# Allegro board BeagleBone_Green_v1.brd (continued)
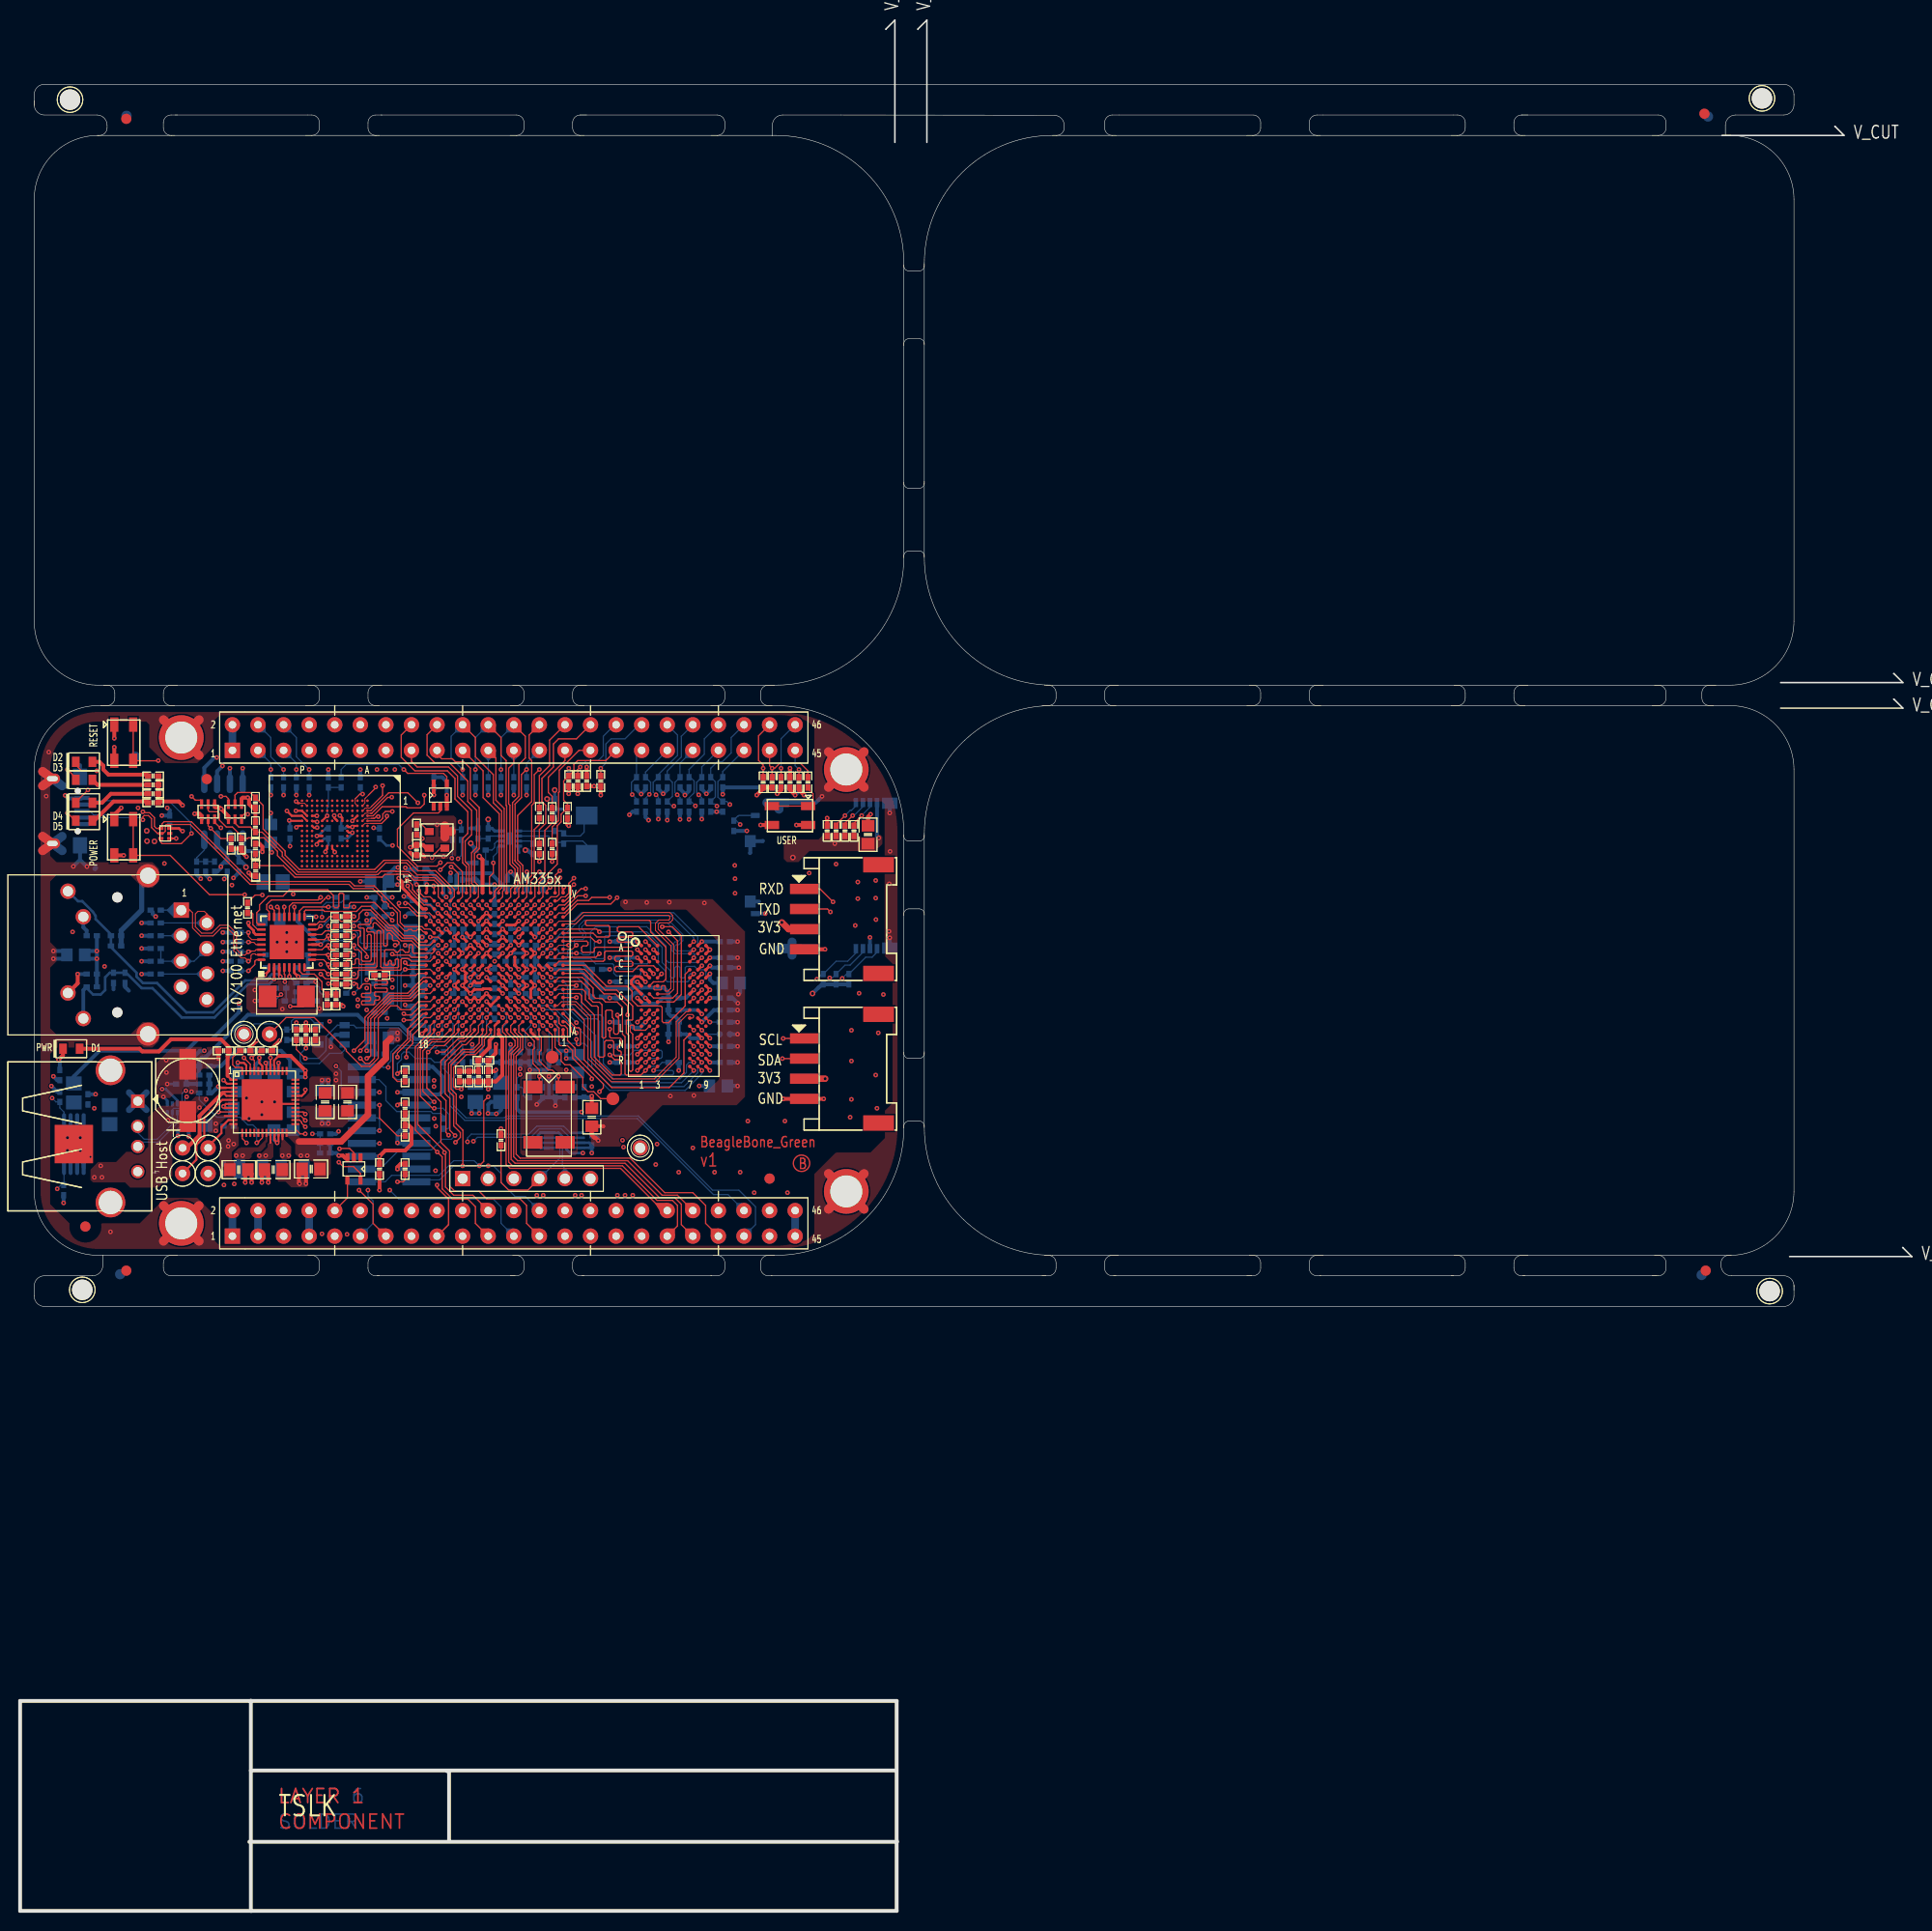
[diagram p0: board, top side]
## Copper pours and planes (outline as drawn; the poured copper is in the pictures) (continued)
DGND on LYR3: 39.62,105.64 41.66,105.64 42.29,105 42.29,104.62 42.04,104.37 41.53,104.37 41.4,104.24 41.4,103.23 41.91,102.72 41.91,101.57 41.66,101.32 40.39,101.32 40,101.7 40,103.35 39.37,103.99 39.37,105.38
DGND on LYR3: 59.72,100.99 68.07,100.99 71.93,97.13 71.93,84.51 68,80.57 56.97,80.57 56.39,81.15 56.39,81.99 56.52,82.12 57,82.12 57.61,81.51 57.61,81.41 57.96,81.05 66.17,81.05 67.95,82.83 67.95,95.35 63.55,99.75 59.59,99.75 59.31,100.03 59.31,100.58
DGND on LYR5_PWR: 32.26,73 39.62,73 40.77,71.86 40.77,69.95 41.02,69.7 61.98,69.7 62.61,70.33 62.61,80.72 62.79,80.9 71.7,80.9 72.42,81.61 72.42,99.29 70.74,100.97 70.74,105.21 70.76,105.23 72.57,105.23 74.42,103.38 78.18,103.38 79.2,104.39 84.81,104.39 85.29,103.91 85.29,93.65 86,92.94 86,85.95 85.62,85.57 85.62,76.56 84.1,75.03 79.83,75.03 78.44,73.63 78.44,67.87 76.96,66.4 25.27,66.4 24.89,66.78 24.89,70.33 25.91,71.35 30.61,71.35
GND_EARTH on TOP: 7.75,65.76 3.71,67.43 2.03,71.48 2.03,113.39 3.71,117.43 7.75,119.1 75.06,119.1 83.59,115.57 87.12,107.04 87.12,77.83 83.59,69.29 75.06,65.76 ; 1 cut-out
GND_EARTH on BOTTOM: 7.75,65.76 3.71,67.43 2.03,71.48 2.03,113.39 2.09,114.19 2.26,114.99 2.26,115.11 2.32,115.17 4.4,118.01 7.75,119.1 75.06,119.1 82.5,116.53 86.77,109.93 86.82,109.88 86.82,109.73 87.05,108.39 87.12,107.04 87.12,77.83 83.59,69.29 75.06,65.76 ; 1 cut-out
GND_EARTH on LYR2_GND, LYR3, LYR4: 7.75,65.76 3.71,67.43 2.03,71.48 2.03,113.39 3.71,117.43 7.75,119.1 75.06,119.1 83.59,115.57 87.12,107.04 87.12,77.83 83.59,69.29 75.06,65.76 ; 1 cut-out
GND_EARTH on LYR5_PWR: 7.75,65.76 3.71,67.43 2.03,71.48 2.03,113.39 3.71,117.43 7.75,119.1 75.06,119.1 83.59,115.57 87.12,107.04 87.12,77.83 83.59,69.29 75.06,65.76 ; 1 cut-out
GND_OSC0 on BOTTOM: 45.47,109.7 53.72,109.7 54.36,110.34 57.91,110.34 58.29,109.96 58.29,103.61 57.91,103.23 54.48,103.23 53.21,104.5 52.83,104.5 51.69,103.35 44.2,103.35 44.07,103.48 44.07,108.31 ; 1 cut-out
GND_OSC1 on TOP: 49.66,75.29 49.91,75.03 55.12,75.03 55.37,75.29 55.37,82.91 54.48,83.79 53.72,83.79 52.45,85.06 52.45,86.97 51.56,87.86 50.29,87.86 50.16,87.73 50.16,85.32 49.53,84.68 49.53,83.79 49.66,83.67
VBUS on BOTTOM: 8.38,81.69 10.19,81.69 10.64,82.14 12.12,82.14 12.73,81.53 12.73,79.63 12.42,79.32 8.38,79.32 8,79.71 8,81.31
VDD_1V8 on LYR3: 41.68,97.38 34.42,97.38 34.16,97.64 34.16,99.42 34.42,99.67 41.4,99.67 41.81,99.26 41.81,97.51
VDD_1V8 on LYR4: 47.12,90.27 46.86,90.02 43.05,90.02 42.8,90.27 42.8,93.57 42.55,93.83 41.4,93.83 41.15,94.08 41.15,99.42 41.4,99.67 43.94,99.67 44.2,99.92 44.2,100.38 44.58,100.76 46.53,100.76 47.12,100.18 47.12,94.84 46.74,94.46 46.74,94.21 47.12,93.83
VDD_1V8 on LYR5_PWR: 46.1,79.1 46.1,90.4 46.23,90.53 48.13,90.53 48.26,90.4 48.26,85.57 48.64,85.19 50.29,85.19 50.55,84.94 50.55,79.1 50.29,78.84 46.35,78.84
VDD_1V8 on LYR5_PWR: 33.91,99.42 33.66,99.16 33.66,93.32 30.99,90.65 30.99,90.4 29.08,88.49 29.08,86.97 27.81,85.7 27.81,82.65 28.07,82.4 32.13,82.4 32.38,82.65 32.38,85.7 35.18,88.49 35.18,99.16 34.92,99.42
VDD_3V3A on BOTTOM: 41.27,94.84 41.78,94.84 42.16,94.46 42.16,94.21 42.42,93.95 43.05,93.95 43.31,93.7 43.31,92.68 42.8,92.68 42.8,93.07 42.42,93.45 41.91,93.45 41.66,93.7 40,93.7 40,94.21 40.64,94.21
VDD_3V3A on BOTTOM: 43.69,101.57 43.69,100.94 43.31,100.56 43.31,98.4 43.56,98.15 44.7,98.15 44.83,98.27 44.83,98.4 44.45,98.78 44.45,100.69 44.16,100.98 44.16,101.57
VDD_3V3A on BOTTOM: 49.53,98.15 51.43,98.15 51.69,98.4 51.69,100.3 52.15,100.77 52.15,101.57 51.69,101.57 51.69,100.94 51.31,100.56 51.31,99.03 50.93,99.03 50.93,100.56 50.55,100.94 50.55,101.57 50.09,101.57 50.09,100.99 49.66,100.56 49.66,98.78 49.4,98.53 49.4,98.27
VDD_3V3A on LYR5_PWR: 22.99,76.81 22.73,77.06 22.73,88.49 22.99,88.75 28.57,88.75 28.83,88.49 28.83,87.22 27.56,85.95 27.56,82.52 27.94,82.14 32.26,82.14 32.64,82.52 32.64,85.57 35.43,88.37 35.43,99.16 34.67,99.92 33.91,99.92 33.66,100.18 33.66,102.21 39.24,107.8 39.24,111.1 39.5,111.35 42.67,111.35 42.93,111.1 42.93,110.08 43.18,109.83 50.93,109.83 53.59,112.5 70.05,112.5 70.61,111.94 70.61,108.69 69.95,108.03 69.95,101.3 69.01,100.36 55.65,100.36 55.24,99.95 55.24,99.92 54.99,99.67 51.94,99.67 51.56,99.29 51.56,96.62 50.55,95.61 50.55,94.59 50.29,94.34 43.94,94.34 43.43,93.83 43.43,93.45 43.31,93.32 42.04,93.32 41.78,93.07 41.78,92.43 42.04,92.18 43.31,92.18 43.56,91.92 43.56,91.67 42.55,90.65 42.55,90.02 42.8,89.76 44.2,89.76 44.45,90.02 44.45,90.4 44.58,90.53 45.72,90.53 45.85,90.4 45.85,78.97 46.23,78.59 50.29,78.59 50.55,78.33 50.55,70.71 50.29,70.46 41.27,70.46 41.02,70.71 41.02,76.43 40.64,76.81
VDD_3V3B on TOP: 83.06,107.14 83.54,106.65 84.96,106.65 85.22,106.91 85.42,106.91 85.62,106.71 85.62,105.99 84.91,105.28 78.38,105.28 77.29,104.19 76.15,104.19 75.82,104.52 75.82,106.1 76.15,106.43 79.27,106.43 79.98,107.14
VDD_3V3B on BOTTOM: 26.48,100.37 25.53,100.37 25.53,101.04 25.3,101.27 25.3,103.12 25.58,103.4 26.97,103.4 27.75,102.63 27.75,98.66 27.14,98.66 26.48,99.32
VDD_3V3B on LYR5_PWR: 20.13,66.4 19.49,67.03 19.49,69.57 17.91,71.16 14.1,71.16 11.56,68.62 5.21,68.62 3.3,70.52 3.3,84.81 3.94,85.45 13.46,85.45 14.1,86.08 14.1,88.11 14.35,88.37 19.18,88.37 22.86,92.05 24.64,92.05 25.02,92.43 25.02,102.08 24.64,102.46 14.35,102.46 14.1,102.72 14.1,103.86 13.46,104.5 3.94,104.5 3.3,105.13 3.3,113.39 4.6,116.53 7.75,117.83 12.19,117.83 12.51,117.51 12.51,115.29 14.1,113.7 17.91,113.7 19.49,115.29 19.49,117.83 20.13,118.47 76.01,118.47 77.91,117.83 78.55,117.2 78.55,110.21 78.87,109.89 83.95,109.89 84.73,109.11 84.73,104.93 84.43,104.62 78.74,104.62 77.83,103.71 74.98,103.71 73.08,105.61 71.09,105.61 70.43,106.27 70.43,107.31 70.97,107.85 70.97,112.17 70.38,112.75 53.47,112.75 50.8,110.08 43.43,110.08 43.18,110.34 43.18,111.35 42.93,111.61 39.24,111.61 38.99,111.35 38.99,107.92 33.4,102.34 33.4,93.57 28.83,89 22.86,89 22.48,88.62 22.48,76.94 22.86,76.56 40.45,76.56 40.77,76.24 40.77,70.84 40.45,70.52 27.43,70.52 27.11,70.21 27.11,66.71 26.8,66.4
VDD_5V on TOP: 20.66,78.86 20.66,79.07 19.2,79.07 18.64,78.51 18.64,77.42 18.8,77.27 19.65,77.27 19.75,77.37 19.75,78.11 20.51,78.86
VDD_5V on BOTTOM: 18.06,78.77 19.13,78.77 19.33,78.56 20.17,78.56 20.4,78.33 20.4,77.27 19.81,76.68 18.16,76.68 17.91,76.94 17.91,77.42 17.93,77.44 17.93,78.64
VDD_5V on LYR4: 19.71,78.46 20.09,78.08 20.09,73.94 20.69,73.34 22.9,73.34 24.43,71.81 25.96,71.81 27.71,70.05 27.71,66.83 27.08,66.19 25.6,66.19 24.59,67.21 24.59,67.23 24.16,67.23 23.14,68.25 20.04,68.25 16.97,71.32 16.97,77.88 17.55,78.46
VDD_CORE on TOP: 28.7,79.22 28.7,78.08 28.96,77.83 32.03,77.83 32.89,78.69 32.89,79.86 32.77,79.98 28,79.98 27.88,79.87 27.3,79.87 27.3,79.67 28.26,79.67
VDD_CORE on BOTTOM: 35.92,95.25 36.37,95.25 37.29,94.34 37.29,89.89 37.13,89.74 36.83,89.74 36.68,89.59 36.68,89 36.55,88.87 35.94,88.87 35.79,89.03 35.79,95.12
VDD_CORE on LYR3: 50.55,90.65 47.37,90.65 47.12,90.91 47.12,92.05 46.74,92.43 43.81,92.43 43.56,92.18 43.56,89.26 43.31,89 34.16,89 33.4,89.76 33.4,90.78 33.91,91.29 34.67,91.29 34.92,91.54 34.92,92.56 35.18,92.81 41.66,92.81 41.66,94.34 42.55,94.34 42.55,95.35 41.91,95.35 41.4,95.86 41.4,96.24 41.78,96.62 42.8,96.62 43.18,97 44.83,97 46.61,98.78 50.55,98.78 50.8,98.53 50.8,90.91
VDD_MPU on TOP: 26.61,76.87 26.42,76.87 26.42,77.51 27.11,77.51 27.94,76.68 30.23,76.68 30.86,76.05 30.86,73.25 30.48,72.87 29.34,72.87 29.08,73.13 29.08,74.27 28.57,74.78 27.74,74.78 27.3,75.21 27.3,76.17
VDD_MPU on TOP: 36.73,87.73 37.69,87.73 37.92,87.5 37.92,86.56 37.59,86.23 36.68,86.23 36.45,86.46 36.45,87.45
VDD_MPU on BOTTOM: 27.48,75.44 28.6,75.44 28.85,75.18 28.85,72.97 28.65,72.77 27.58,72.77 27.36,73 27.36,75.31
VDD_MPU on LYR3: 46.86,86.21 46.86,91.92 46.61,92.18 43.94,92.18 43.81,92.05 43.81,88.75 42.67,87.6 37.34,87.6 37.21,87.48 37.21,86.46 37.34,86.33 41.53,86.33 41.91,85.95 46.61,85.95
VDD_PHYA on BOTTOM: 22.96,103.12 24.69,103.12 24.84,102.97 24.84,100.97 24.54,100.66 24.54,99.26 24.79,99.01 24.79,93.09 24.46,92.76 23.75,92.76 23.34,93.17 23.34,97.1 22.5,97.94 22.5,102.67
VDD_PHYA on LYR5_PWR: 11.94,88.62 10.67,87.35 3.94,87.35 3.3,87.99 3.3,93.38 3.94,94.02 3.94,95.92 3.3,96.56 3.3,101.96 3.94,102.59 10.67,102.59 11.94,101.32 13.46,101.32 14.35,102.21 24.51,102.21 24.76,101.96 24.76,92.56 24.51,92.3 22.73,92.3 19.05,88.62
VDD_PLL on BOTTOM: 49.91,85.19 49.91,87.86 50.16,88.11 50.16,90.27 49.91,90.53 49.15,90.53 48.89,90.27 48.89,86.33 49.4,85.83 49.4,85.19
VDD_PLL on BOTTOM: 44.96,98.65 45.47,98.15 45.59,98.15 46.48,99.03 46.48,99.29 46.1,99.67 46.1,100.56 45.37,101.29 45.37,101.57 44.86,101.57 44.86,100.91 44.96,100.81
VDD_PLL on BOTTOM: 39.88,93.19 40.51,93.19 40.64,93.32 42.16,93.32 42.42,93.07 42.42,92.43 42.16,92.18 41.02,92.18 40.51,92.68 39.88,92.68
VDD_PLL on LYR4: 41.15,93.32 42.29,93.32 42.55,93.07 42.55,92.43 42.29,92.18 40,92.18 39.75,92.43 39.75,96.75 39.88,96.88 40.77,96.88 40.89,96.75 40.89,93.57
VDD_PLL on LYR5_PWR: 42.04,92.56 42.16,92.43 43.81,92.43 44.07,92.68 47.75,92.68 48.51,91.92 48.51,90.27 48.64,90.14 50.29,90.14 50.55,90.4 50.55,93.83 50.29,94.08 44.07,94.08 43.69,93.7 43.69,93.32 43.43,93.07 42.16,93.07 42.04,92.94
VDDS on BOTTOM: 40,87.73 40.77,87.73 41.02,87.99 41.02,88.75 41.27,89 42.67,89 42.93,89.26 42.93,89.64 43.05,89.76 43.31,89.76 43.43,89.89 43.43,90.53 43.31,90.65 42.67,90.65 41.91,91.41 41.02,91.41 40.77,91.16 40.77,90.4 40.51,90.14 39.88,90.14 39.88,87.86
VDDS on BOTTOM: 49.28,100.62 49.66,101 49.66,101.7 49.53,101.83 48.01,101.83 47.75,101.57 47.75,100.69 47.88,100.69 48.13,100.43 48.13,99.03 47.75,98.65 47.75,98.27 47.88,98.15 48.64,98.15 49.28,98.78
VDDS on LYR4: 47.62,90.78 47.37,91.03 47.37,93.95 47.12,94.21 47.12,94.46 47.37,94.72 47.37,99.67 47.62,99.92 50.55,99.92 50.8,99.67 50.8,89.38 50.55,89.13 49.4,89.13 49.15,89.38 49.15,90.53 48.89,90.78
VDDS on LYR5_PWR: 44.07,90.02 42.93,90.02 42.8,90.14 42.8,90.53 43.81,91.54 43.81,92.05 44.2,92.43 47.62,92.43 48.26,91.8 48.26,90.91 48.13,90.78 44.45,90.78 44.2,90.53 44.2,90.14
VDDS_DDR on BOTTOM: 19.86,73.61 20.52,73.61 20.68,73.46 20.68,72.69 20.88,72.49 21.46,72.49 22.12,71.83 23.32,71.83 23.55,72.06 23.55,72.39 23.7,72.54 24.94,72.54 25.12,72.36 25.12,71.25 24.69,70.82 20.55,70.82 19.71,71.65 19.71,73.46
VDDS_DDR on LYR3: 61.72,67.98 61.4,67.67 20.07,67.67 19.81,67.92 19.81,73.51 20.07,73.76 28.57,73.76 29.87,72.47 61.14,72.47 61.72,71.88
VDDS_DDR on LYR5_PWR: 50.8,95.48 50.8,90.4 51.05,90.14 51.43,90.14 51.69,89.89 51.69,85.83 50.8,84.94 50.8,70.97 51.24,70.52 61.72,70.52 62.04,70.84 62.04,81 62.36,81.32 71.56,81.32 71.88,81.64 71.88,99.1 71.56,99.42 71.5,99.42 70.87,100.05 55.75,100.05 55.12,99.42 52.07,99.42 51.82,99.16 51.82,96.49
P_L1 on TOP: 24.58,76.18 24.58,75.86 24,75.29 23.62,75.29 23.49,75.16 23.49,74.9 23.75,74.65 24.89,74.65 25.15,74.9 25.15,76.24 24.89,76.49
P_L1 on BOTTOM: 23.29,75.44 24.51,75.44 24.79,75.16 24.79,72.92 24.64,72.77 23.42,72.77 23.16,73.03 23.16,75.31
P_L2 on TOP: 26.04,74.65 25.78,74.9 25.78,75.79 25.91,75.92 25.91,76.59 26.04,76.72 26.12,76.72 26.92,75.92 26.92,74.9 26.67,74.65
P_L2 on BOTTOM: 25.45,75.49 26.72,75.49 26.87,75.34 26.87,73.13 26.52,72.77 25.37,72.77 25.15,73 25.15,75.18
P_L3 on TOP: 27.84,80.47 27.3,80.47 27.3,80.68 28.13,80.68 28.7,81.25 28.7,82.65 28.96,82.91 30.73,82.91 30.86,82.78 30.86,82.27 30.73,82.14 29.59,82.14 29.46,82.02 29.46,80.87 28.96,80.37 27.94,80.37
RXP on BOTTOM (solid shape): 16.02,99.42 15.24,98.7 14.56,99.38 14.54,99.42 14.56,99.46 15.24,100.14
SYS_5V on TOP: 15.49,80.49 16.99,80.49 17.4,80.9 18.54,80.9 18.75,80.7 18.75,80.52 18.05,79.82 18.05,79.79 17.45,79.2 17.45,77.65 17.25,77.44 15.39,77.44 15.11,77.17 15.11,73 14.41,72.3 14.16,72.3 13.72,71.86 10.92,71.86 10.41,72.36 7.24,72.36 6.99,72.62 6.99,73.63 7.75,74.4 9.53,74.4 10.54,75.41 12.19,75.41 12.7,75.92 12.7,78.84 13.84,79.98 14.99,79.98
SYS_5V on BOTTOM: 4.95,74.65 5.71,74.65 5.84,74.52 5.84,72.87 5.97,72.75 6.86,72.75 7.24,73.13 7.24,74.02 7.49,74.27 8.51,74.27 8.64,74.14 8.64,72.36 7.24,70.97 5.59,70.97 4.83,71.73 4.83,74.52
SYS_5V on LYR3: 26.42,84.68 27.81,83.29 27.81,82.91 28.83,81.89 28.83,80.37 26.16,77.7 26.16,76.05 26.04,75.92 25.27,75.92 24.51,76.68 23.11,76.68 20.07,79.73 19.81,79.73 18.87,78.79 18.47,78.79 17.6,77.93 14.5,77.93 14.27,78.16 14.27,78.77 14.96,79.45 16.87,79.45 18.41,81 18.41,82.27 19.18,83.03 22.86,83.03 23.88,84.05 23.88,84.18 24.38,84.68
USB1_PWR on BOTTOM: 4.72,80.77 6.1,80.77 6.43,80.44 6.86,80.44 6.93,80.37 7.49,80.37 7.75,80.11 7.75,79.32 8.13,78.94 9.47,78.94 9.96,78.46 9.96,77.7 9.45,77.19 7.24,77.19 6.81,77.62 4.95,77.62 4.88,77.7 4.88,79.6 4.6,79.88 4.6,80.65
USB_DC on TOP: 20.83,78.28 21.51,78.28 21.59,78.21 21.59,77.95 21.72,77.83 21.72,76.05 21.34,75.67 21.29,75.67 21.03,75.41 21.03,74.63 21.44,74.22 21.44,73.1 21.26,72.92 19.99,72.92 19.79,73.13 19.79,76.56 20.37,77.14 20.37,77.83
USB_DC on BOTTOM: 5.36,108.18 8.23,108.18 8.81,107.59 12.6,107.59 13.18,108.18 16.05,108.18 16.36,107.87 16.36,107.11 16.26,107.01 15.54,107.01 15.37,106.83 15.37,106.53 15.11,106.27 14.61,106.27 14.1,105.77 7.87,105.77 6.99,106.65 6.99,106.73 6.17,107.54 6.17,107.59 6.12,107.59 5.97,107.75 5.38,107.75 5.28,107.85 5.28,108.1
USB_DC on BOTTOM: 20.45,75.67 20.19,75.92 20.19,76.68 20.83,77.32 20.83,78.33 20.95,78.46 21.97,78.46 22.35,78.08 22.35,76.68 22.22,76.56 22.22,76.05 21.84,75.67
USB_DC on LYR4: 20.47,75.51 21.59,75.51 21.97,75.9 21.97,76.17 22.35,76.56 22.35,83.16 21.72,83.79 21.72,99.42 20.45,100.69 20.45,103.73 16.13,108.05 11.81,108.05 11.3,107.54 11.3,105.38 11.81,104.88 14.22,104.88 14.86,104.24 14.86,102.84 18.41,99.29 18.41,80.37 20.32,78.46 20.32,77.83 20.35,77.83 20.35,75.64
VDCDC1 on TOP: 21.91,75.86 23.62,75.86 24.36,76.59 24.36,77.31 24.56,77.31 24.56,76.41 24.38,76.24 24.38,75.92 23.88,75.41 23.24,75.41 22.99,75.16 22.99,74.9 22.73,74.65 21.46,74.65 21.21,74.9 21.21,75.29 21.72,75.79 21.84,75.79
VDCDC1 on BOTTOM: 22.61,75.13 22.61,73.05 22.38,72.82 21.34,72.82 21.16,73 21.16,73.53 20.75,73.94 19.99,73.94 19.81,74.12 19.81,74.88 20.35,75.41 22.33,75.41
VRTC on LYR3: 49.91,89.76 49.15,89.76 48.89,89.51 48.89,86.72 48.51,86.33 48.51,85.95 48.64,85.83 50.67,85.83 50.8,85.95 50.8,86.33 50.16,86.97 50.16,89.51
VRTC on LYR5_PWR: 48.77,85.45 50.93,85.45 51.43,85.95 51.43,89.76 51.31,89.89 48.64,89.89 48.51,89.76 48.51,85.7
B_UART0_TX on BOTTOM (solid shape): 54.06,73.78 54.1,73.8 54.14,73.78 54.64,73.28 54.1,72.73 53.56,73.28
GPIO1_28 on LYR4 (solid shape): 33.73,70.6 33.78,70.62 33.83,70.6 34.32,70.11 33.78,69.55 33.24,70.11
MMC1_CLK on BOTTOM (solid shape): 47.02,114.75 46.52,114.26 46.48,114.24 46.44,114.26 45.94,114.75 46.48,115.31
MMC1_DAT4 on BOTTOM (solid shape): 49.56,114.75 49.06,114.26 49.02,114.24 48.98,114.26 48.48,114.75 49.02,115.31
RXN on BOTTOM (solid shape): 18.56,98.15 18,97.61 17.51,98.1 17.49,98.15 17.51,98.19 18,98.68
TCT_RCT on BOTTOM (solid shape): 16.02,94.34 15.46,93.8 14.97,94.29 14.95,94.34 14.97,94.38 15.46,94.87
TCT_RCT on BOTTOM (solid shape): 17.04,94.38 17.05,94.34 17.04,94.29 16.54,93.8 15.99,94.34 16.54,94.87
TIMER4 on LYR4 (solid shape): 29.24,114.75 28.75,114.26 28.7,114.24 28.65,114.26 28.16,114.75 28.7,115.31
TXN on BOTTOM (solid shape): 18.56,93.07 18,92.53 17.51,93.02 17.49,93.07 17.51,93.11 18,93.6
TXN on LYR3 (solid shape): 18.51,94.11 18.54,94.12 18.58,94.11 19.08,93.6 18.54,93.05 18,93.6
TXP on BOTTOM (solid shape): 16.02,96.88 15.46,96.34 14.97,96.83 14.95,96.88 14.97,96.92 15.46,97.41

Small or netless copper shapes (teardrops, artwork), in the pictures only: 288 on TOP, 177 on BOTTOM, 85 on LYR3, 44 on LYR4

## Text on the board
BOTTOM: LAYER 6 | SOLDER
Board Geometry/Soldermask Bottom: SMS
Ref Des/Silkscreen Bottom: microSD Card | USB | S/N | BSLK
Board Geometry/Outline: V_CUT
TOP: BeagleBone_Green | B | v1 | LAYER 1 | COMPONENT
Board Geometry/Soldermask Top: SMC
Ref Des/Silkscreen Top: PWR | USER | RESET | POWER | AM335x | TXD | 3V3 | SDA | GND | RXD | SCL | USB Host | 10/100 Ethernet | (OZ) | LAYER 1 - PRIMARY SIDE - SIGNAL | LAYER 2 - GROUND PLANE | LAYER 3 - SIGNAL | LAYER 4 - SIGNAL | LAYER 5 - SPLIT POWER PLANE | LAYER 6 - SECONDARY SIDE - SIGNAL | LAYER# | COPPER WEIGHT | HALF+PLATING | IMPEDANCE CONTROL | +/- 10% | 50ohm SINGLE ENDED | TRACE WIDTH | TRACE WIDTH / SPACE | 90ohm DIFFERENTIAL | 100ohm DIFFERENTIAL | TSLK | 1 | 5.25 | 4.75 | 4.5/6.5 | 5.0/7.0 | 3.75/7.25 | 4.00/8.00 | LAYER STACK-UP - ALL DIMENSIONS IN INCHES
LYR2_GND: LAYER 2 | GROUND
LYR3: LAYER 3 | SIGNAL
LYR4: LAYER 4 | SIGNAL
LYR5_PWR: LAYER 5 | POWER
DISPLAY_TOP: SPC
DISPLAY_BOTTOM: SPS
DIMENSION: R.250 2X
USER_PART_NUM_TOP: TSLKC
USER_PART_NUM_BOTTOM: BSLKC
User.13: C100 | C73 | C97 | C98 | C99 | C25 | C48 | C46 | C58 | C41 | C66 | C65 | C60 | C70 | C26 | C87 | C45 | C79 | C54 | C44 | C82 | C83 | R49 | C84 | C69 | R158 | C71 | C86 | C85 | C67 | C38 | C78 | C52 | C53 | C51 | R116 | R131 | R140 | R134 | R145 | R113 | R138 | R115 | R112 | R114 | R117 | C134 | R150 | R154 | R155 | R153 | C154 | R151 | R152 | C68 | C43 | C50 | C81 | C56 | C42 | C47 | R17 | C49 | C72 | C88 | C106 | C94 | C63 | C80 | FB1 | C40 | C39 | D2 | D3 | D4 | D5 | USER LEDS | 0 | 1 | 2 | 3 | D1 | RESET | C19 | R10 | R72 | R73 | R74 | R71 | POWER | R9 | R7 | U10 | C1 | TP5 | TP6 | C16 | C3 | R5 | TP7 | TP8 | TP9 | C9 | C12 | P | R119 | R118 | A | R139 | R133 | R128 | R127 | R126 | R125 | R124 | R28 | 14 | 18 | U3 | Y4 | R27 | TP3 | V | TP1 | C96 | 16 | TP2 | 64 | 17 | 32 | 49 | 33 | R157 | R95 | C61 | R166 | D8 | 46 | 45 | U9 | 19 | R147 | R146 | C117 | C119 | R96 | R99 | C120 | C121 | C116 | C118 | FB7 | C151 | C114 | C115 | C122 | FB8 | R98 | C123 | R100 | C124 | R97 | C109 | C110 | C112 | C113 | C107 | C108 | C111 | R22 | C28 | U15 | FB2 | U6 | FB3 | C64 | C77 | R14 | C24 | C30 | L3 | U7 | C135 | C136 | R103 | C14 | C8 | L2 | R108 | R156 | R159 | C126 | C133 | C132 | C131 | C13 | FB4 | C7 | L1 | R144 | R129 | R123 | R122 | R121 | R120 | U4 | C137 | C140 | C138 | C139 | C141 | R137 | R11 | C17 | 5 | R135 | C2 | R12 | R132 | R130 | C | E | G | J | L | N | R | 7 | 9 | PWR | TP4 | R8 | Q2 | Q1 | C18 | R3 | R4 | C11 | C37 | C55 | U16 | C29 | R50 | R24 | R23 | R25 | C32 | C165 | C31 | C57 | R29 | C33 | C27 | R81 | R80 | R84 | C93 | R45 | R48 | R82 | R46 | R47 | R165 | R83 | C168 | C166 | R85 | C167 | C157 | R86 | R87 | R88 | R89 | R90 | R91 | C169 | C156 | C160 | C163 | R92 | R93 | R94 | R75 | C173 | C153 | R52 | C35 | C171 | R53 | C76 | C149 | R148 | R149 | C150 | C148 | C147 | C146 | R70 | R69 | R68 | R67 | C145 | C144 | R66 | R65 | R64 | R63 | C172 | C155 | FB5 | C75 | R62 | C95 | C103 | R61 | R101 | R60 | C170 | C102 | R105 | R58 | C162 | R30 | R102 | C101 | R57 | C161 | C22 | R110 | R54 | R59 | R106 | C74 | C21 | R26 | R109 | R55 | C164 | C104 | R164 | R21 | R56 | C92 | R163 | C105 | C89 | C91 | C90 | C59 | R20 | R19 | R167 | R18 | C158 | R51 | C159 | 20 | R160 | C62 | R161 | C125 | C130 | C129 | R162 | R111 | R104 | C128 | C152 | C127 | R107 | C143 | C15 | R142 | R1 | R141 | R143 | R6 | C4 | C10 | C142 | R77 | C36 | R76 | R79 | R78 | C20 | R136 | DATE | DESIGN ENGR | PROJECT ENGR | ENGR MGR | NEXT ASSEMBLY | APPROVED | CHECKED | DRAFTING | ENGR | 1 OF 1 | USB | S1 | P1 | P5 | U13 | U2 | U14 | Y3 | U5 | J1 | Y1 | AM335x | C34 | U11 | U12 | RT1 | D7 | D6 | S2 | P3 | P8 | P9 | USB Host | HDMI | P6 | P10 | U8 | S/N | Y2 | P4 | S3 | 10/100 Ethernet | microSD Card | P2 | ASSEMBLY SOLDER SIDE
User.14: NONE
User.27: FIGURE | SIZE | 8.0 | 12.0 | 30.0 | 36.0 | 40.0 | 63.0 | 92.0 | 125.0 | 24.0 | 80.0 | 128.0 | 42.0x20.0 | DRILL CHART: TOP to BOTTOM | ALL UNITS ARE IN MILS | TOLERANCE | +3.0/-3.0 | +0.0/-0.0 | +5.0/-5.0 | PLATED | NON-PLATED | QTY | 814 | 28 | 97 | 4 | 20 | 2
